# Allegro board LAY-27392_C.brd (continued)
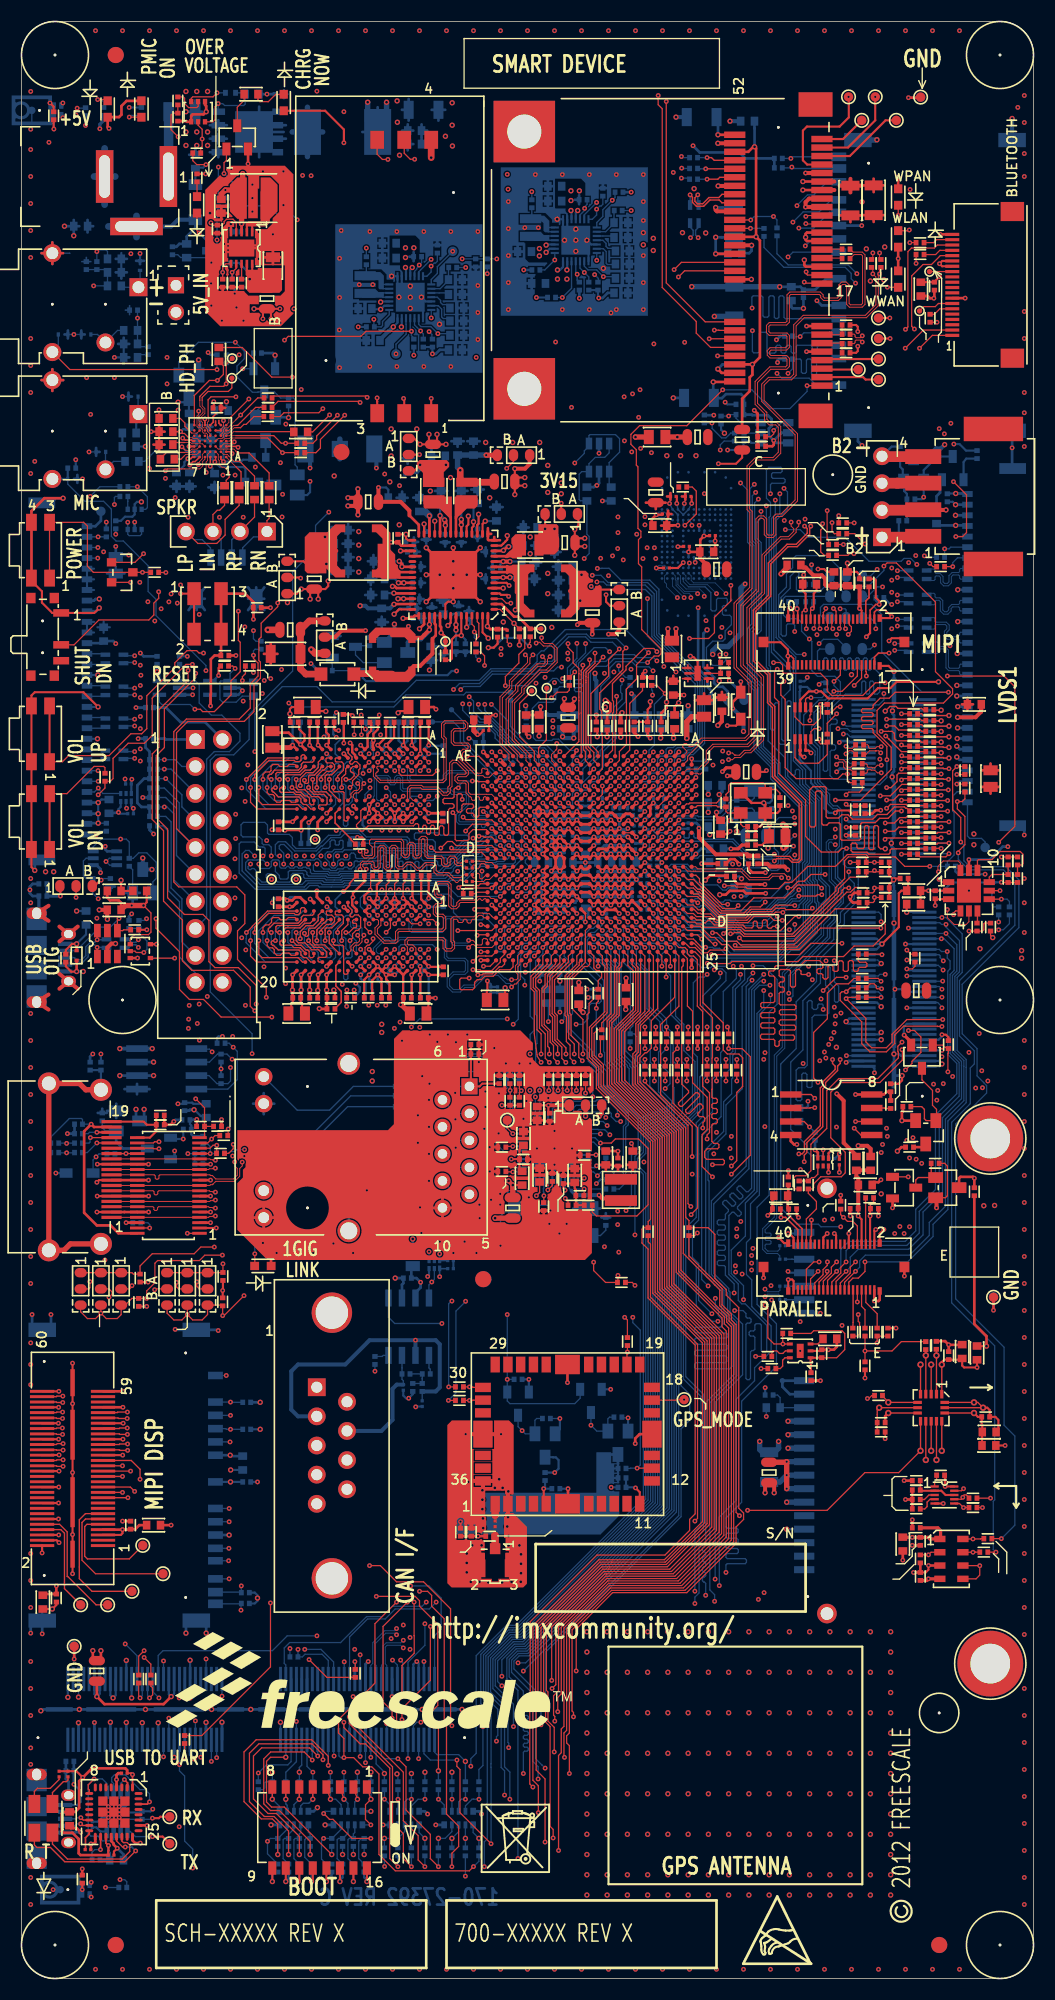
[diagram p0: board, top side]
## Routing (per net, layer and track width the routed paths; a pad name or vN(x,y) marks a point on that pad's centre or on a via; arc(x,y) is an arc through that point) (continued)
DISP0_BAT: length 4.4
  TOP w0.254: R83.2 78.48,107.57 v1(77.6,107.57)
  BOTTOM w0.254: J504.69 77.87,107.84 v1(77.6,107.57) 77.6,107.56 77.82,107.34 J504.67
DISP0_CLK: length 3.2
  TOP w0.119: v1(80.97,96.34) 80.92,96.39 R113.2
  BOTTOM w0.119: J504.43 v1(80.97,96.34)
DISP0_CNTRST: length 2.3
  TOP w0.127: v2(86.54,118.34) 85.87,118.34 R42.2
  BOTTOM w0.127: J504.112 v2(86.54,118.34)
DISP0_CONTRAST: length 199.7
  TOP w0.119: v1(87.92,135.67) 88.56,135.67 88.93,136.04 88.93,139.61 v1(87.7,140.84)
  TOP w0.127: J11.19 v1(10.03,45.25)
  L3_INT_1 w0.114: v1(7.75,134.24) 7.74,134.24 7.74,133.65 7.36,133.26 7.11,133.26 6.43,132.57 6.43,112.83 6.95,112.31 6.95,112.31 v1(7.25,112.01) 8.38,110.88 8.38,108.85 10.39,106.83 10.39,102.6 10.86,102.13 10.86,99.69 10,98.84 10,95.55 7.24,92.79 7.24,90.42 6.22,89.41 6.22,80.75 6.07,80.59 6.07,68.55 7.01,67.61 v1(7.87,67.61) 8.76,66.73 8.76,60.58 11.3,58.04 11.3,48.01 10.03,46.74 v1(10.03,45.25)
  L6_INT_2 w0.114: v1(7.75,134.24) 8.77,135.26 12.35,135.26 13.8,133.81 24.35,133.81 27.69,137.15 33.26,137.15 35.99,139.88 37.31,139.88 37.87,140.44 38.71,140.44 39.34,139.8 42.01,139.8 42.65,140.44 46.48,140.44 47.75,139.17 49.48,139.17 50.52,140.21 52.12,140.21 52.53,139.8 61.34,139.8 61.77,140.23 64.82,140.23 68,137.06 70.94,137.06 71.6,137.72 73.89,137.72 75.17,136.44 76.48,136.44 79.69,139.65 82.18,139.65 83.36,140.84 v1(87.7,140.84)
  BOTTOM w0.119: v1(7.25,112.01) 7.25,111.93 7.68,111.5 U514.4
  BOTTOM w0.127: J502.5 v1(87.92,135.67) ; J503.5 6.88,111.65 v1(7.25,112.01)
DISP0_DAT0: length 5.5
  TOP w0.127: v1(87.27,105.84) 86.98,105.55 84.57,105.55 R91.2
  BOTTOM w0.127: J504.62 v1(87.27,105.84)
DISP0_DAT1: length 2.3
  TOP w0.127: v1(86.54,106.34) 85.88,106.34 R90.2
  BOTTOM w0.127: J504.64 v1(86.54,106.34)
DISP0_DAT2: length 5.3
  TOP w0.127: v1(87.27,106.84) 86.25,106.84 86.15,106.74 84.39,106.74 R88.2
  BOTTOM w0.127: J504.66 v1(87.27,106.84)
DISP0_DAT3: length 2.3
  TOP w0.127: R86.2 85.87,107.34 v1(86.54,107.34)
  BOTTOM w0.127: J504.68 v1(86.54,107.34)
DISP0_DAT4: length 5.3
  TOP w0.127: R84.2 84.39,107.76 86.15,107.76 86.23,107.84 v1(87.27,107.84)
  BOTTOM w0.127: J504.70 v1(87.27,107.84)
DISP0_DAT5: length 2.3
  TOP w0.127: R82.2 85.85,108.34 v1(86.54,108.34)
  BOTTOM w0.127: J504.72 v1(86.54,108.34)
DISP0_DAT6: length 5.3
  TOP w0.127: v1(87.27,108.84) 86.22,108.84 86.15,108.78 84.39,108.78 R81.2
  BOTTOM w0.127: J504.74 v1(87.27,108.84)
DISP0_DAT7: length 2.3
  TOP w0.127: R80.2 85.86,109.34 v1(86.54,109.34)
  BOTTOM w0.127: J504.76 v1(86.54,109.34)
DISP0_DAT8: length 5.1
  TOP w0.127: R79.2 84.39,109.79 86.15,109.79 86.2,109.84 v1(87.15,109.84)
  BOTTOM w0.127: J504.78 v1(87.15,109.84)
DISP0_DAT9: length 2.3
  TOP w0.127: R76.2 85.87,110.34 v1(86.54,110.34)
  BOTTOM w0.127: J504.80 v1(86.54,110.34)
DISP0_DAT10: length 5.1
  TOP w0.127: R74.2 84.39,110.81 86.15,110.81 86.18,110.84 v1(87.15,110.84)
  BOTTOM w0.127: J504.82 v1(87.15,110.84)
DISP0_DAT11: length 2.3
  TOP w0.127: v1(86.54,111.34) 85.89,111.34 R73.2
  BOTTOM w0.127: J504.84 v1(86.54,111.34)
DISP0_DAT12: length 5.2
  TOP w0.127: v1(87.21,111.84) 86.17,111.84 86.15,111.82 84.39,111.82 R72.2
  BOTTOM w0.127: J504.86 v1(87.21,111.84)
DISP0_DAT13: length 2.3
  TOP w0.127: v1(86.54,112.34) 85.9,112.34 R70.2
  BOTTOM w0.127: J504.88 v1(86.54,112.34)
DISP0_DAT14: length 5.2
  TOP w0.127: R67.2 84.33,112.89 86.72,112.89 86.78,112.84 v1(87.24,112.84)
  BOTTOM w0.127: J504.90 v1(87.24,112.84)
DISP0_DAT15: length 2.3
  TOP w0.127: v1(86.54,113.34) 85.92,113.34 R65.2
  BOTTOM w0.127: J504.92 v1(86.54,113.34)
DISP0_DAT16: length 5.3
  TOP w0.127: v1(87.27,113.84) 86.78,113.84 86.72,113.89 84.35,113.89 R62.2
  BOTTOM w0.127: J504.94 v1(87.27,113.84)
DISP0_DAT17: length 2.3
  TOP w0.127: R60.2 85.94,114.34 v1(86.54,114.34)
  BOTTOM w0.127: J504.96 v1(86.54,114.34)
DISP0_DAT18: length 5.3
  TOP w0.127: R59.2 84.36,114.89 86.72,114.89 86.78,114.84 v2(87.27,114.84)
  BOTTOM w0.127: J504.98 v2(87.27,114.84)
DISP0_DAT19: length 2.3
  TOP w0.127: R57.2 85.95,115.34 v2(86.54,115.34)
  BOTTOM w0.127: J504.100 v2(86.54,115.34)
DISP0_DAT20: length 5.3
  TOP w0.127: v2(87.27,115.84) 86.77,115.84 86.72,115.89 84.39,115.89 R56.2
  BOTTOM w0.127: J504.102 v2(87.27,115.84)
DISP0_DAT21: length 2.3
  TOP w0.127: R54.2 85.85,116.34 v2(86.54,116.34)
  BOTTOM w0.127: J504.104 v2(86.54,116.34)
DISP0_DAT22: length 5.3
  TOP w0.127: R52.2 84.45,116.84 v2(87.27,116.84)
  BOTTOM w0.127: J504.106 v2(87.27,116.84)
DISP0_DAT23: length 2.3
  TOP w0.127: v2(86.54,117.34) 85.86,117.34 R51.2
  BOTTOM w0.127: J504.108 v2(86.54,117.34)
DISP0_DRDY: length 2.3
  TOP w0.127: R40.2 85.89,119.34 v2(86.54,119.34)
  BOTTOM w0.127: J504.116 v2(86.54,119.34)
DISP0_HSYNCH: length 5.3
  TOP w0.127: R41.2 84.71,119 84.87,118.84 v2(87.27,118.84)
  BOTTOM w0.127: J504.114 v2(87.27,118.84)
DISP0_PWM: length 103.3
  TOP w0.178: v1(59.47,101.01) U1.F18
  L3_INT_1 w0.114: v1(59.47,101.01) 59.47,100.76 59.85,100.37 59.85,100.07 60.11,99.82 62,99.82 63.16,98.67 63.16,95.97 64.26,94.88 64.69,94.88 64.91,94.65 64.91,94.48 68.68,90.71 68.68,88.93 69.96,87.65 v1(69.96,87.12)
  L6_INT_2 w0.114: v1(69.96,87.12) 68.56,87.12 67.36,88.32 59.66,88.32 59.48,88.15 57.24,88.15 56.03,89.36 43.38,89.36 41.53,87.5 34.4,87.5 32.48,89.42 20.92,89.42 20.45,89.89 18.34,89.89 17.22,91.01 15.27,91.01 14.04,92.23 14.04,100.36 12.78,101.63 9.08,101.63 8.75,101.96 8.75,107.94 9.91,109.09 v1(9.91,110.11)
  BOTTOM w0.119: v1(9.91,110.11) 9.86,110.16 U514.2
DISP0_PWR: length 7
  BOTTOM w0.119: v2(80.9,95.5) 80.56,95.84 J504.41
  BOTTOM w0.203: J504.39 80.68,95.34 80.9,95.56 ; v2(80.9,89.03) 80.71,88.84 J504.13 ; v2(80.9,88.34) J504.11
  BOTTOM w0.254: 80.9,95.56 v2(80.9,95.5)
DISP0_PWR_EN: length 46.4
  TOP w0.119: v1(77.6,110.49) 77.75,110.34 78.03,110.34 78.05,110.36 R77.2 R78.1 ; U1.U20 v1(49.87,99.41)
  L3_INT_1 w0.114: v1(49.87,99.41) 50.25,99.8 50.25,108.37 50.5,108.61 52.43,108.61 53.04,109.22 53.04,109.55 53.7,110.21 64.08,110.21 65.07,111.2 v1(65.07,114.17)
  L6_INT_2 w0.114: v1(77.6,110.49) 76.73,111.35 73.41,111.35 70.64,114.12 65.67,114.12 65.61,114.17 v1(65.07,114.17)
  BOTTOM w0.119: v1(77.6,110.49) 77.75,110.34 J504.79
DISP0_RD: length 76.1
  TOP w0.119: R135.1 v1(62.61,84.45)
  L3_INT_1 w0.114: v1(81.15,120.9) 85.98,120.9 87.76,119.13 88.39,119.13 90.58,116.94 90.58,105.31 90.27,105 90.27,100.22 88.77,98.72 88.77,97.41 87.51,96.15 86.58,96.15 86.23,95.79 86.23,88.32 87.62,86.93 v1(87.62,84.88)
  L6_INT_2 w0.114: v1(62.61,84.45) 63.25,83.82 68.33,83.82 69.46,84.95 79.3,84.95 79.44,84.81 81.78,84.81 82.86,85.89 83.36,85.89 84.37,84.88 v1(87.62,84.88)
  BOTTOM w0.119: v1(81.15,120.9) 81.15,120.3 80.69,119.84 J504.117
DISP0_RST_B: length 37.3
  TOP w0.119: v1(54.48,86.87) 54.48,88.4 R120.1 ; v1(74.96,84.33) 74.55,84.73 74.55,89.03 75.83,90.31 75.83,92.73 76.71,93.6 77.82,93.6 78.33,94.11 R115.1
  L6_INT_2 w0.114: v1(54.48,86.87) 56.11,85.24 59.42,85.24 60.07,84.58 60.07,83.54 60.29,83.32 70.19,83.32 71.2,84.33 v1(74.96,84.33)
DISP0_SER_RS: length 49.6
  TOP w0.119: R69.1 77.98,112.52 77.72,112.78 v1(77.72,113.34) 77.27,113.34 76.83,112.9 72.9,112.9 71.86,113.94 71.86,120.37 71.46,120.77 71.46,121.75 v1(71.75,122.05)
  TOP w0.178: U1.R5 v1(51.47,112.21)
  L6_INT_2 w0.114: v1(59.43,123.04) 60.99,123.04 61.29,123.34 61.89,123.34 62.19,123.04 62.38,122.85 62.56,122.85 63.03,122.85 64.44,121.44 67.84,121.44 68.45,122.05 v1(71.75,122.05)
  BOTTOM w0.119: v1(59.43,123.04) 59.05,123.42 57.91,123.42 57.43,123.9 55.96,123.9 55.36,123.31 55.36,122.42 54.52,121.57 54.52,117.1 54.61,117.01 54.61,116.28 54.1,115.77 54.1,115.06 52.83,113.79 52.83,112.84 52.59,112.6 52.11,112.6 51.72,112.21 v1(51.47,112.21)
  BOTTOM w0.127: v1(77.72,113.34) J504.91
DISP0_VSYNCH: length 5.3
  TOP w0.127: v2(87.27,117.84) 84.85,117.84 84.71,117.98 R44.2
  BOTTOM w0.127: J504.110 v2(87.27,117.84)
DISP0_WR: length 42.7
  TOP w0.119: v1(67.56,97.92) 67.85,97.62 72.65,97.62 77.22,102.18 77.22,102.39 77.44,102.62 v1(77.85,102.62)
  TOP w0.178: U1.E15 v1(60.27,103.41)
  L6_INT_2 w0.114: v1(77.34,118.11) 78.26,117.2 78.26,112.55 79.17,111.63 79.17,103.94 v1(77.85,102.62) ; v1(60.27,103.41) 60.42,103.41 60.83,103 61.23,103 61.45,102.77 61.45,102.47 61.71,102.22 62,102.22 62.25,101.97 62.25,101.48 63.42,100.31 63.5,100.23 63.5,99.06 64.64,97.92 v1(67.56,97.92)
  BOTTOM w0.119: J504.109 77.62,117.84 v1(77.34,118.11)
DISP_PWR_EN: length 114.6
  TOP w0.127: J11.31 v1(9.52,48.26)
  TOP w0.178: v1(61.87,102.61) U1.C16
  L6_INT_2 w0.114: v1(66.98,95.25) 66.98,96.14 68.16,97.32 68.16,98.17 67.81,98.52 67.8,98.52 67.32,99 65.59,99 64.52,100.07 64.52,100.96 63.66,101.82 62.71,101.82 61.92,102.61 v1(61.87,102.61) ; v1(64.97,62.56) 64.52,62.1 60.3,62.1 59.39,63.02 46.89,63.02 46.71,63.19 42.98,63.19 42.7,62.91 37.13,62.91 32.77,58.55 26.48,58.55 24.2,56.26 21.97,56.26 21.21,55.5 21.21,51.05 20.07,49.91 19.05,49.91 17.39,48.26 v1(9.52,48.26)
  BOTTOM w0.119: v1(64.97,62.56) 63.72,63.81 63.72,67.28 63.14,67.86 63.14,70.79 63.72,71.37 63.72,75.43 63.73,75.44 63.73,77.59 63.72,77.6 63.72,80.26 65.02,81.57 65.02,84.28 65.02,84.29 65.02,84.62 65.79,85.4 65.79,87.13 66.04,87.38 66.04,92.87 67.27,94.11 67.27,94.96 v1(66.98,95.25)
DISP_RST_B: length 119
  TOP w0.119: U1.F15 v1(59.47,103.41) ; J11.29 v1(10.28,47.76)
  L6_INT_2 w0.114: v1(65.2,94.91) 65.79,95.51 65.79,96.07 65.13,96.74 64.77,96.74 64.54,96.51 63.63,96.51 62.99,97.15 62.99,99.82 62.22,100.6 61.71,100.6 61.45,100.85 61.45,101.28 61.34,101.4 60.91,101.4 60.65,101.65 60.65,101.97 60.43,102.2 59.31,102.2 59.07,102.44 59.07,102.88 59.47,103.28 v1(59.47,103.41) ; v1(10.28,47.76) 17.66,47.76 18.54,48.64 19.69,48.64 21.59,50.55 21.59,55.37 22.1,55.88 24.35,55.88 26.64,58.17 32.77,58.17 37.3,62.7 42.79,62.7 42.98,62.89 46.48,62.89 46.66,62.71 59.26,62.71 60.12,61.85 v1(65.53,61.85)
  BOTTOM w0.119: v1(65.2,94.91) 65.3,95.01 65.93,95.01 66.29,94.64 66.29,93.9 64.91,92.51 64.91,85.4 64.13,84.62 64.13,84.29 64.14,84.28 64.14,81.15 63.5,80.52 63.5,77.51 63.51,77.5 63.51,75.53 63.5,75.52 63.5,71.63 62.79,70.92 62.79,67.72 63.5,67.01 63.5,63.33 64.98,61.85 v1(65.53,61.85)
DMIC_DAT: length 211.1
  TOP w0.076: U7.G1 19.53,146.41 19.53,146.74 19.74,146.94
  TOP w0.119: 19.74,146.94 v1(21.41,148.62)
  L3_INT_1 w0.119: v1(6.05,174.35) 6.05,173.73 6.81,172.96 9.44,172.96 9.84,172.56 9.84,169.18 12.83,166.19 13.77,166.19 14.14,165.82 14.14,161.84 15.93,160.05 15.93,155.35 18.95,152.32 18.95,151.08 v1(21.41,148.62) 25.35,144.67 25.35,135.89 22.51,133.05 15.29,133.05 14.38,133.96 12.47,133.96 10.15,136.28 7.22,136.28 5.59,134.65 5.59,105.66 5.16,105.23 5.16,102.28 3.95,101.07 3.95,99.05 3.38,98.48 3.38,93.34 4.98,91.74 4.98,67.08 4.39,66.5 4.39,56.72 2.82,55.14 2.82,43.1 5.33,40.59 5.33,34.34 3.91,32.92 3.91,18.19 2.88,17.16 2.88,13.07 4.78,11.18 6.05,11.18 6.72,10.5 8.11,10.5 v1(9.29,9.33)
  BOTTOM w0.119: SH506.2 9.93,9.12 9.73,9.32 9.3,9.32 v1(9.29,9.33) ; SH500.2 v1(6.05,174.35)
DMIC_DAT1: length 2.6
  L6_INT_2 w0.114: v1(5.26,175.97) 4.4,175.97 v1(3.91,176.46)
  BOTTOM w0.119: SH500.1 6,175.97 v1(5.26,175.97)
  BOTTOM w0.381: U501.5 v1(3.91,176.46)
DMIC_DAT2: length 3.1
  L6_INT_2 w0.114: v1(6.58,9.08) 7.07,8.59 v1(7.92,8.59)
  BOTTOM w0.119: SH506.1 v1(7.92,8.59)
  BOTTOM w0.381: U521.5 v1(6.58,9.08)
DMICCLK: length 41.2
  TOP w0.076: U7.F4 17.78,145.8 17.53,146.05 17.53,146.43 17.64,146.55 17.64,146.93 17.58,146.99
  TOP w0.119: v1(20.19,148.82) 17.86,148.82 17.58,148.54 17.58,146.99
  L6_INT_2 w0.114: v1(10.02,137.02) 11.2,135.84 12.47,135.84 14,134.31 24.15,134.31 25.35,135.51 25.35,143.41 24.03,144.73 24.03,144.98 v1(20.19,148.82)
  BOTTOM w0.119: U510.1 11.32,135.9 11.19,135.76 10.15,135.76 10.02,135.9 U510.3 v1(10.02,137.02)
DMICCLK1: length 46.6
  L3_INT_1 w0.114: v1(5.16,175.31) v1(2.6,172.76) 1.32,171.48 1.32,143.48 1.8,143 1.8,140.31 2.06,140.06 5.87,140.06 v1(6.48,139.45)
  L6_INT_2 w0.114: v1(3.91,175.07) 4.15,175.31 v1(5.16,175.31)
  BOTTOM w0.119: R569.1 7.39,140.36 v1(6.48,139.45)
  BOTTOM w0.381: U501.1 v1(3.91,175.07)
DMICCLK1R: length 3.9
  BOTTOM w0.119: U510.6 11.71,138.24 11.86,138.39 11.86,139.42 v1(10.92,140.36) R569.2
DMICCLK2: length 144.9
  L3_INT_1 w0.114: v1(6.58,7.69) 5.54,7.69 5.11,8.12 5.11,9.19 1.65,12.65 1.65,17.78 2.67,18.8 2.67,23.34 2.46,23.55 2.46,35.43 3.71,36.68 3.71,37.24 3.4,37.54 3.4,39.19 1.35,41.25 1.35,55.32 3.3,57.28 3.3,59.51 1.78,61.04 1.78,67.21 1.35,67.64 1.35,83.52 1.02,83.85 1.02,84.84 1.57,85.39 1.57,86.77 3.1,88.29 3.1,91.92 1.65,93.37 1.65,98.93 2.6,99.89 2.6,100.9 1.87,101.63 1.87,105.38 3.05,106.55 3.05,134.47 7.42,138.84 8.2,138.84 8.35,138.68 v1(8.76,138.68)
  BOTTOM w0.119: R573.1 8.86,139.45 8.76,139.35 v1(8.76,138.68)
  BOTTOM w0.381: U521.1 v1(6.58,7.69)
DMICCLK2R: length 1.2
  BOTTOM w0.119: R573.2 10.03,139.01 10.02,139 U510.4
DOK_B: length 157.2
  L3_INT_1 w0.114: v1(55.6,167.31) 55.6,165.96 54.25,164.62 54.25,162.97 53.55,162.26 53.55,159.75 51.71,157.91 51.71,155.42 v1(50.27,153.97) ; v1(26.34,149.5) 26.65,149.19 26.65,135.35 21.85,130.54 20.45,130.54 16.97,127.06 15.71,127.06 14.73,126.09 14.73,96.9 14,96.16 14,95.22 14.63,94.59 14.63,91.97 15.75,90.86 v1(15.75,90.27)
  L6_INT_2 w0.114: v1(57.29,87.51) 56.87,87.51 55.46,88.93 43.7,88.93 41.73,86.96 34.34,86.96 32.3,88.99 20.49,88.99 20.19,89.28 17.78,89.28 16.79,90.27 v1(15.75,90.27) ; v1(50.27,153.97) 45.54,153.97 41.83,150.27 33.43,150.27 32.66,149.5 v1(26.34,149.5)
  BOTTOM w0.119: R627.1 57.28,87.52 v1(57.29,87.51)
  BOTTOM w0.127: U502.8 54.14,165.21 54.71,165.79 54.71,166.42 v1(55.6,167.31) 55.86,167.57 R512.2
DRAM0_ZQ: length 4.3
  TOP w0.152: U3.L8 29.53,109.64 29.53,108.72 31.05,107.2 31.05,107.11 R89.1
DRAM1_ZQ: length 3.8
  BOTTOM w0.152: R599.1 30.3,116.87 29.54,116.1 29.54,115.23 U5.L8
DRAM2_ZQ: length 5
  TOP w0.152: R119.1 29.51,91.26 30.1,91.85 30.1,92.89 29.6,93.39 29.6,95.31 U2.L8
DRAM3_ZQ: length 4.3
  TOP w0.152: R99.1 30.89,103.04 30.89,102.86 v1(30.31,102.29)
  BOTTOM w0.152: v1(30.31,102.29) 29.54,101.51 29.54,100.84 29.7,100.68 29.7,100.67 U4.L8
DRAM_A0: length 60.1
  TOP w0.119: U3.N3 28.3,114.04 28.16,113.9 28.16,113.82 27.58,113.24 27.14,113.24 27.03,113.13 27.03,112.55 26.93,112.45 26.73,112.45 26.64,112.55 v1(26.64,112.75) ; v1(26.64,98.35) 26.64,98.2 26.77,98.07 26.9,98.07 27.03,98.2 27.03,98.73 27.14,98.84 27.62,98.84 28.16,99.38 28.16,99.43 28.33,99.6 U2.N3 ; v1(45.07,104.21) U1.AC14
  L3_INT_1 w0.114: v1(45.07,104.21) 44.78,104.21 44.71,104.14 44.71,103.94 44.63,103.86 44.51,103.86 44.42,103.94 44.42,104.25 44.34,104.34 44.21,104.34 44.12,104.25 44.12,103.99 43.99,103.86 43.87,103.86 43.74,103.99 43.74,105.08 43.64,105.18 43.51,105.18 43.41,105.08 43.41,104.93 43.28,104.8 43.15,104.8 43.03,104.93 43.03,105.04 42.9,105.17 41.25,105.17 41.14,105.06 41.14,104.91 41.03,104.8 40.88,104.8 40.77,104.91 40.77,105.06 40.67,105.17 40.51,105.17 40.41,105.06 40.41,104.91 40.3,104.8 40.15,104.8 40.04,104.91 40.04,105.06 39.93,105.17 39.78,105.17 39.67,105.06 39.67,104.91 39.56,104.8 39.41,104.8 39.3,104.91 39.3,105.06 39.19,105.17 38.47,105.17 37.22,106.41 36.83,106.41 36.49,106.75 36.07,106.75 35.97,106.65 35.97,106.45 35.84,106.32 35.64,106.32 35.51,106.45 35.51,106.63 35.41,106.73 35.26,106.73 35.16,106.63 35.16,106.1 35.24,106.02 35.53,106.02 35.66,105.89 35.66,105.68 35.53,105.55 34.9,105.55 34.79,105.66 34.79,106.65 34.68,106.76 34.53,106.76 34.42,106.65 34.42,105.66 34.32,105.55 34.16,105.55 34.06,105.66 34.06,106.65 33.95,106.76 33.27,106.76 33.04,106.99 30.74,106.99 30.51,106.76 28.8,106.76 28.69,106.65 28.69,106.61 28.58,106.5 28.43,106.5 28.32,106.61 28.32,106.65 28.22,106.76 28.06,106.76 27.96,106.65 27.96,106.38 27.85,106.27 27.7,106.27 27.59,106.38 27.59,106.65 27.48,106.76 27.33,106.76 27.22,106.65 27.22,106.38 27.11,106.27 26.96,106.27 26.85,106.38 26.85,106.55 26.72,106.68 26.42,106.68 26.29,106.55 26.29,106.3 26.64,105.95 v1(26.64,105.63)
  L6_INT_2 w0.114: v1(26.64,98.35) 26.64,98.81 26.85,99.02 26.85,99.95 26.34,100.46 26.34,101.96 26.72,102.34 26.72,104.34 26.64,104.42 v1(26.64,105.63) 26.64,106.79 26.49,106.93 26.49,107.54 26.72,107.77 26.72,108.23 26.42,108.53 26.42,109.19 26.72,109.5 26.72,110.49 26.39,110.82 26.39,111.3 26.64,111.55 v1(26.64,112.75)
  BOTTOM w0.119: U4.N3 28.16,96.61 28.16,96.61 27.52,97.25 27.5,97.27 26.89,97.27 26.64,97.53 v1(26.64,98.35) ; v1(26.64,112.75) 26.64,111.94 26.66,111.92 26.66,111.91 26.88,111.7 26.88,111.7 26.92,111.66 27.54,111.66 28.33,110.86 U5.N3
DRAM_A1: length 61.7
  TOP w0.119: v1(45.87,104.21) U1.AB14 ; v1(25.47,97.66) 25.91,97.23 26.31,97.23 26.31,97.22 26.35,97.22 26.79,96.78 26.95,96.78 27.08,96.66 27.08,96.19 27.21,96.06 27.4,96.06 27.53,96.19 U2.P7 ; v1(25.47,112.06) 25.91,111.63 26.31,111.63 26.31,111.62 26.33,111.62 26.68,111.28 26.9,111.28 27.11,111.06 27.11,110.61 27.28,110.44 27.48,110.44 27.53,110.49 U3.P7
  L3_INT_1 w0.114: v1(25.47,104.86) 25.7,104.86 26.25,105.41 26.25,105.79 25.92,106.11 25.92,107.09 27.46,108.63 27.46,109.22 27.59,109.35 28.11,109.35 28.22,109.23 28.22,108.58 28.35,108.46 28.57,108.46 28.57,108.46 28.89,108.46 28.89,108.46 28.99,108.46 29.12,108.58 29.12,109 29.2,109.08 29.76,109.08 30.81,108.02 31.55,108.02 32.37,107.21 33.18,107.21 33.41,106.97 36.66,106.97 37.01,106.63 37.41,106.63 38.46,105.59 42.98,105.59 43.1,105.71 43.1,106.16 43.22,106.27 43.37,106.27 43.48,106.16 43.48,105.67 43.6,105.56 43.75,105.56 43.87,105.67 43.87,106.12 43.99,106.25 44.45,106.25 44.68,106.02 44.68,105.16 44.55,105.03 44.15,105.03 44.02,104.9 44.02,104.75 44.15,104.62 44.96,104.62 45.08,104.75 45.08,105.11 45.21,105.23 45.38,105.23 45.5,105.11 45.5,104.58 v1(45.87,104.21)
  L6_INT_2 w0.114: v1(25.47,97.66) 25.47,99.19 25.15,99.52 25.15,100.18 25.65,100.69 25.65,101.65 25.37,101.93 25.37,103.94 25.47,104.04 v1(25.47,104.86) 25.47,108.36 24.87,108.96 24.87,109.23 25.47,109.83 v1(25.47,112.06)
  BOTTOM w0.119: U5.P7 27.15,113.66 26.66,113.66 26.24,113.25 25.73,113.25 25.47,112.99 v1(25.47,112.06) ; U4.P7 27.15,99.26 26.66,99.26 26.24,98.85 25.73,98.85 25.47,98.59 v1(25.47,97.66)
DRAM_A2: length 63.1
  TOP w0.119: v1(25.08,98.42) 24.87,98.42 24.74,98.55 24.74,98.74 24.87,98.86 26.22,98.86 26.66,99.3 27.19,99.3 U2.P3 ; v1(25.08,112.83) 24.89,112.83 24.77,112.95 24.77,113.14 24.89,113.26 26.26,113.26 26.7,113.7 27.19,113.7 U3.P3 ; v1(46.67,104.21) U1.AA14
  L3_INT_1 w0.114: v1(46.67,104.21) 46.67,104.89 46.25,105.31 46.25,106.77 46.03,107 42.75,107 42.66,106.91 42.31,106.91 41.8,107.43 37.64,107.43 37.41,107.66 36.49,107.66 33.77,107.66 32.97,108.46 32.57,108.46 32.35,108.69 32.35,109.12 32.22,109.25 30.81,109.25 30.68,109.37 30.68,110.34 30.56,110.46 25.07,110.46 24.08,109.47 24.08,107.17 25.08,106.17 v1(25.08,105.63)
  L6_INT_2 w0.114: v1(25.08,112.83) 25.08,109.89 24.61,109.42 24.61,108.85 25.25,108.22 25.25,107.93 25.08,107.76 v1(25.08,105.63) 25.08,102.76 24.52,102.21 24.52,100.44 24.36,100.28 24.36,99.71 25.08,98.99 v1(25.08,98.42)
  BOTTOM w0.119: U4.P3 27.19,96.78 26.76,96.78 26.31,97.23 25.36,97.23 25.08,97.5 v1(25.08,98.42) ; U5.P3 27.19,111.18 26.7,111.18 26.65,111.23 26.63,111.23 26.24,111.63 25.36,111.63 25.08,111.9 v1(25.08,112.83)
DRAM_A3: length 63.1
  TOP w0.119: U2.N2 27.94,100.06 27.94,99.54 27.46,99.06 26.8,99.06 26.25,98.51 v1(26.25,97.84) ; v1(47.47,104.21) U1.Y14 ; v1(26.25,112.24) 26.25,112.91 26.8,113.46 27.46,113.46 27.94,113.94 27.94,114.46 U3.N2
  L3_INT_1 w0.114: v1(26.25,104.86) 26.62,105.24 26.8,105.24 27.03,105.47 27.03,105.48 27.03,105.49 27.03,105.79 27.26,106.02 28.7,106.02 29.21,106.53 30.74,106.53 30.98,106.78 32.92,106.78 33.25,106.45 33.53,106.45 33.66,106.32 33.66,105.54 33.87,105.32 35.78,105.32 35.92,105.46 35.92,106.05 36.07,106.2 37.13,106.2 38.25,105.08 38.66,104.67 39.01,104.67 39.29,104.39 39.67,104.39 39.86,104.58 41.38,104.58 41.76,104.95 42.62,104.95 42.93,104.65 42.93,104.06 43.05,103.94 43.21,103.94 43.34,104.06 v1(43.34,104.2)
  L6_INT_2 w0.114: v1(26.25,112.24) 26.25,111.59 26.04,111.38 26.04,110.29 26.26,110.06 26.26,109.42 26.14,109.3 26.14,108.4 25.94,108.2 25.94,107.51 26.25,107.2 v1(26.25,104.86) 26.25,104.41 26.5,104.15 26.5,102.5 26.11,102.11 26.11,100.51 25.86,100.25 25.86,99.99 26.46,99.39 26.46,99.15 26.25,98.94 v1(26.25,97.84)
  BOTTOM w0.119: U4.N2 27.94,96.03 27.94,96.52 27.43,97.03 26.82,97.03 26.41,97.45 26.06,97.45 25.96,97.55 25.96,97.74 26.06,97.84 v1(26.25,97.84) ; v1(47.47,104.21) 47.86,103.82 47.86,102.44 47.62,102.2 46.38,102.2 46.26,102.32 46.26,102.89 46.13,103.02 45.71,103.02 45.7,103.02 45.57,103.02 45.46,102.91 45.46,102.31 45.35,102.2 44.79,102.2 44.68,102.31 44.68,102.92 44.55,103.05 43.61,103.05 43.34,103.32 v1(43.34,104.2) ; v1(26.25,112.24) 26.06,112.24 25.96,112.14 25.96,111.95 26.06,111.85 26.33,111.85 26.72,111.45 26.74,111.45 26.76,111.43 27.43,111.43 27.94,110.92 27.94,110.43 U5.N2
DRAM_A4: length 69.6
  TOP w0.119: v1(23.91,112.06) 23.7,112.06 23.57,111.94 23.57,111.75 23.7,111.63 23.76,111.63 24.05,111.33 24.05,111.31 24.17,111.18 26.13,111.18 26.31,111 26.31,110.7 26.55,110.47 26.82,110.47 27.24,110.04 U3.P8 ; U1.W14 v1(48.27,104.21) ; U2.P8 27.24,95.64 26.82,96.07 26.55,96.07 26.31,96.3 26.31,96.6 26.13,96.78 24.17,96.78 24.02,96.93 24,96.93 23.73,97.2 23.65,97.2 23.52,97.33 23.52,97.54 23.65,97.66 v1(23.91,97.66)
  L6_INT_2 w0.114: v1(23.91,112.06) 23.91,110.07 23.39,109.55 23.39,108.76 23.19,108.56 23.19,107.92 23.77,107.34 23.77,106.86 23.91,106.72 v1(23.91,104.86) 23.91,103.61 23.93,103.59 23.93,102.93 23.22,102.21 23.22,99.67 23.91,98.98 v1(23.91,97.66)
  BOTTOM w0.119: v1(23.91,97.66) 23.91,98.59 24.14,98.81 24.14,98.81 24.62,99.29 25.34,99.29 25.34,99.29 26.02,99.29 26.31,99.59 26.31,99.82 26.52,100.03 27.11,100.03 U4.P8 ; U5.P8 27.11,114.43 26.52,114.43 26.31,114.22 26.31,113.94 26.06,113.69 25.34,113.69 25.34,113.69 24.62,113.69 24.14,113.21 24.14,113.21 23.91,112.99 v1(23.91,112.06) ; v1(23.91,104.86) 23.91,104.16 24.28,103.78 24.28,103.58 24.41,103.45 24.99,103.45 25.12,103.58 25.12,104.13 25.25,104.25 26.71,104.25 26.87,104.09 26.87,103.89 27.03,103.73 28.66,103.73 28.8,103.59 29.53,103.59 29.53,103.59 29.98,103.59 30.13,103.74 39.74,103.74 40,104.01 40.44,104.01 40.66,104.23 40.66,104.41 40.88,104.63 41.16,104.63 41.86,105.33 43.88,105.33 43.89,105.33 44,105.22 44.52,105.22 44.62,105.32 44.64,105.32 44.65,105.33 45.29,105.33 45.46,105.5 45.46,106.01 45.65,106.2 46.15,106.2 46.26,106.3 46.26,106.84 46.43,107.01 46.93,107.01 47.06,106.88 47.06,106.38 47.24,106.2 47.73,106.2 47.86,106.07 47.86,105.65 47.42,105.21 47.42,104.98 47.74,104.66 47.74,104.49 47.86,104.37 47.86,104.36 48.01,104.21 v1(48.27,104.21)
DRAM_A5: length 71.4
  TOP w0.119: v1(23.52,112.83) 23.34,112.83 23.22,112.95 23.22,113.18 23.34,113.31 23.52,113.31 23.72,113.5 23.72,113.58 23.84,113.7 26.07,113.7 26.37,114 26.37,114.27 26.54,114.45 27.4,114.45 27.53,114.58 U3.P2 ; U2.P2 27.53,100.18 27.4,100.05 26.54,100.05 26.37,99.87 26.37,99.63 26.04,99.3 23.77,99.3 23.39,98.92 23.37,98.92 23.24,98.79 23.24,98.55 23.37,98.42 v1(23.52,98.42) ; U1.AE13 43.3,105.98 39,105.98 v1(38.56,106.41)
  L6_INT_2 w0.114: v1(23.52,98.42) 23.52,98.96 22.91,99.57 22.91,103.58 23.52,104.19 v1(23.52,105.63) 23.52,107.27 22.84,107.95 22.84,109.48 23.52,110.16 v1(23.52,112.83)
  BOTTOM w0.119: v1(38.56,106.41) 38.2,106.78 36.68,106.78 36.53,106.93 36.53,107.19 36.3,107.41 32.47,107.41 31.9,107.98 30.12,107.98 30,107.85 30,107.67 29.9,107.57 28.91,107.57 27.66,106.32 25.86,106.32 25.51,106.67 25.51,107.36 25.21,107.65 23.29,107.65 23.16,107.78 23.16,108.53 22.91,108.79 20.9,108.79 20.68,108.56 20.68,107.59 20.85,107.42 22.4,107.42 22.66,107.16 22.66,106.81 22.78,106.68 23.29,106.68 23.52,106.45 v1(23.52,105.63) ; v1(23.52,98.42) 23.52,97.47 24.2,96.78 26.07,96.78 26.27,96.59 26.27,96.42 26.62,96.06 27.11,96.06 U4.P2 ; U5.P2 27.11,110.46 26.57,110.46 26.27,110.77 26.27,110.97 26.05,111.18 24.2,111.18 23.52,111.87 v1(23.52,112.83)
DRAM_A6: length 71.5
  TOP w0.119: v1(22.35,97.66) 22.35,96.37 22.65,96.06 26.04,96.06 26.45,95.64 U2.R8 ; v1(22.35,112.06) 22.35,110.8 22.68,110.46 26.04,110.46 26.45,110.04 U3.R8 ; v1(45.07,105.81) U1.AC13
  L6_INT_2 w0.114: v1(22.35,97.66) 22.35,98.83 21.74,99.44 21.74,103.79 22.35,104.39 v1(22.35,104.86) 22.35,105.97 21.69,106.63 21.69,109.7 22.35,110.36 v1(22.35,112.06)
  BOTTOM w0.119: U4.R8 26.5,100.44 26.09,100.03 23.78,100.03 22.35,98.6 v1(22.35,97.66) ; v1(22.35,112.06) 22.35,113 23.61,114.26 24.93,114.26 24.94,114.26 25.46,114.26 25.63,114.43 26.09,114.43 26.5,114.84 U5.R8 ; v1(45.07,105.81) 44.88,105.99 44.63,105.99 44.43,106.2 44.11,106.2 43.9,105.99 43.43,105.99 43.36,105.92 43.36,105.61 43.31,105.56 42.62,105.56 42.52,105.66 42.52,105.82 42.39,105.94 42.27,105.94 42.16,105.84 42.16,105.69 42.04,105.56 41.69,105.56 41.22,105.09 41.14,105.01 41.14,105.01 40.98,104.85 40.79,104.85 40.4,104.47 39.93,104.47 39.7,104.24 39.7,104.09 39.58,103.96 34.83,103.96 34.73,104.07 34.73,104.7 34.63,104.8 34.45,104.8 34.35,104.7 34.35,104.11 34.25,104.01 34.09,104.01 33.99,104.11 33.99,104.85 33.9,104.94 33.71,104.94 33.62,104.85 33.62,104.11 33.52,104.01 33.35,104.01 33.25,104.11 33.25,104.72 33.14,104.83 32.97,104.83 32.87,104.72 32.87,104.09 32.75,103.96 30.04,103.96 29.89,103.81 28.93,103.81 28.79,103.95 27.33,103.95 27.2,104.08 27.2,104.34 27.08,104.47 26.87,104.47 26.77,104.57 26.51,104.57 26.41,104.47 26.09,104.47 25.94,104.62 25.78,104.62 25.63,104.47 25.31,104.47 25.13,104.65 25.02,104.65 24.85,104.47 24.46,104.47 24.3,104.63 24.3,105.11 24.16,105.26 23.67,105.26 23.52,105.1 23.52,104.65 23.32,104.44 22.48,104.44 22.35,104.57 v1(22.35,104.86)